# Altium PCB MiniSystem-Pcb.PcbDoc
Units mil, origin at the board's own origin, x right, y up, seen from the top; angles counter-clockwise.
Board outline 1732.28 x 669.29 mil, 2 copper layers (Top Layer, Bottom Layer); 69 components, 49 nets, 163 pads, 33 vias.
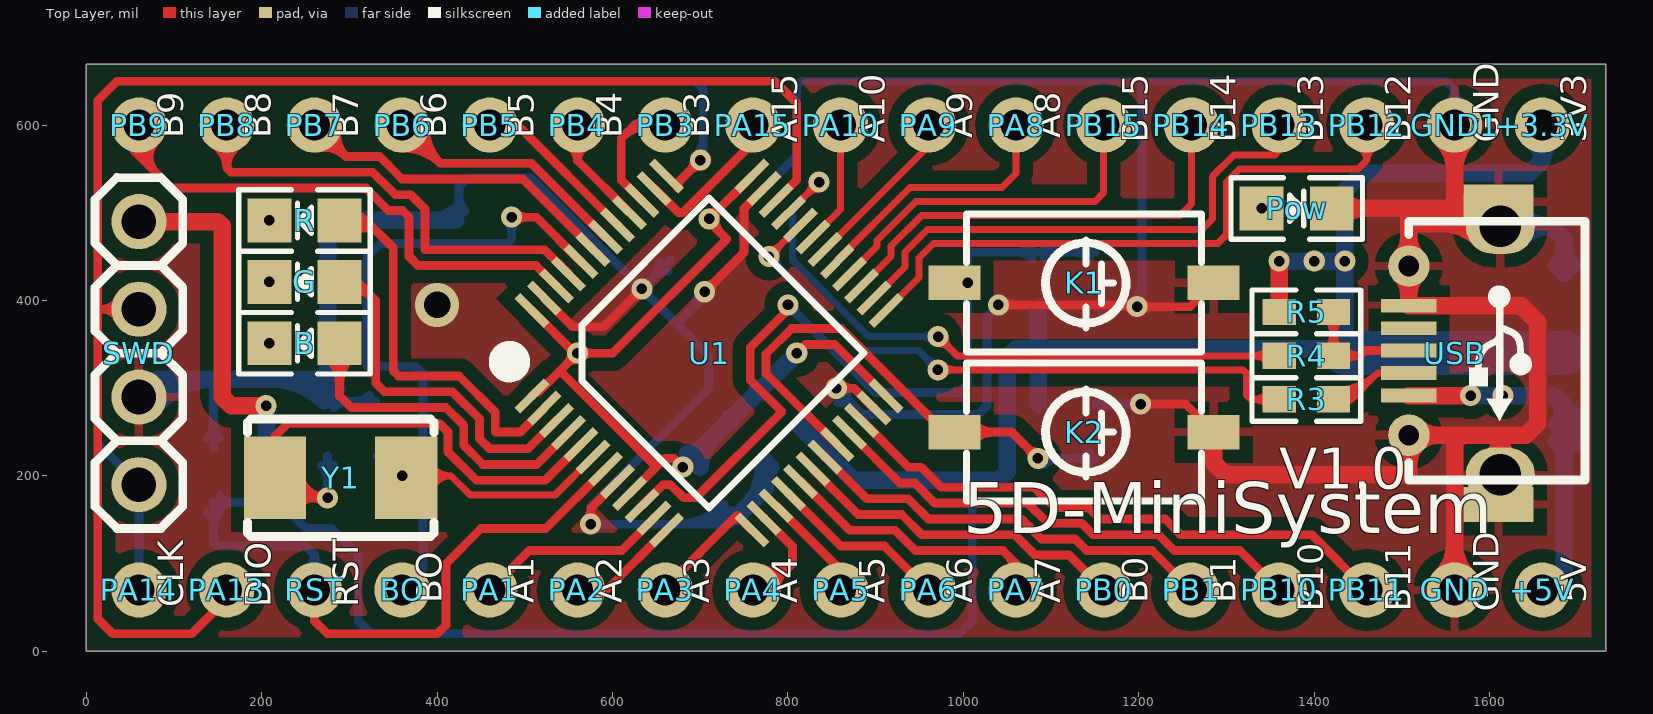
[diagram p0: Top Layer view]
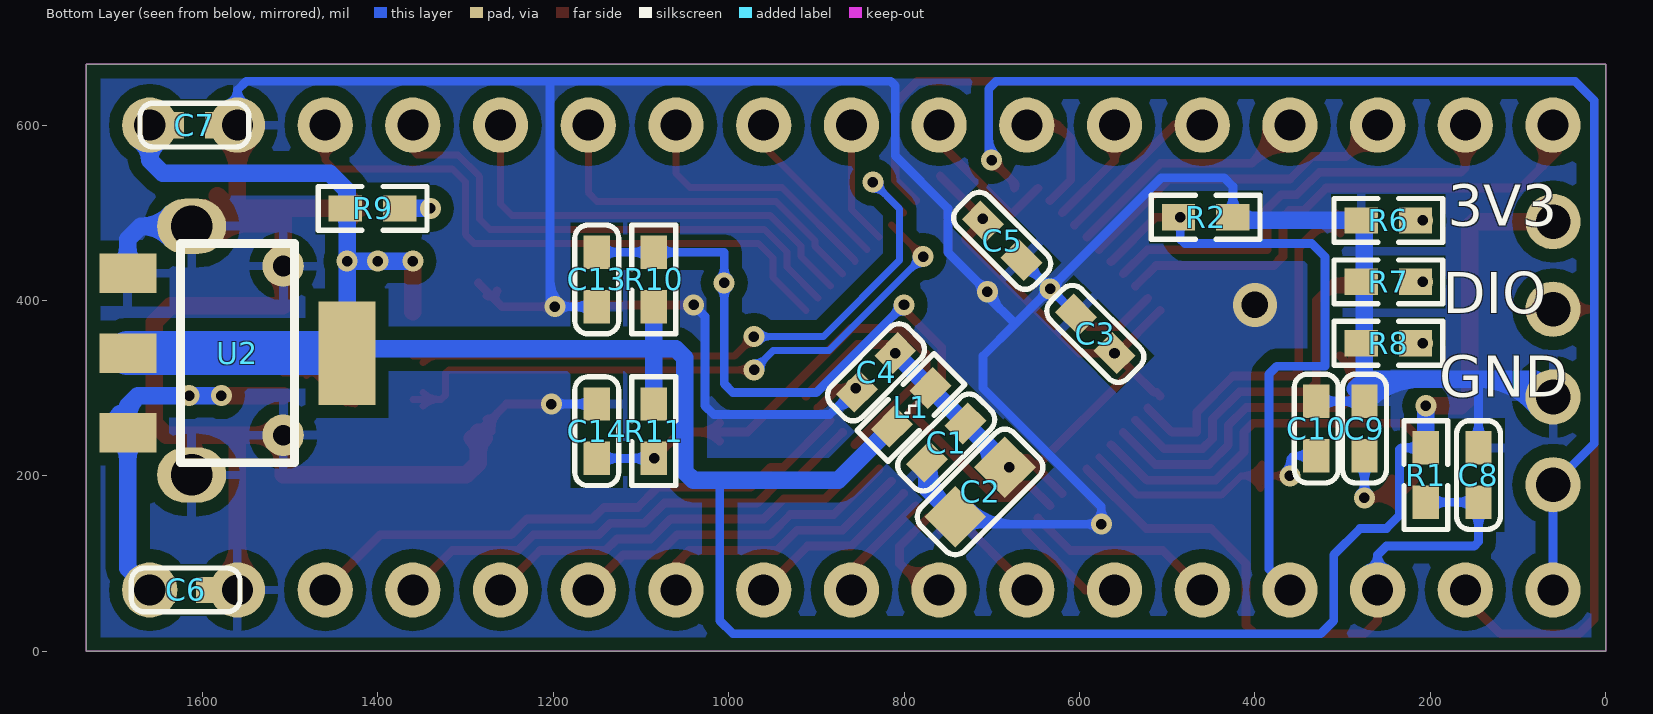
[diagram p1: Bottom Layer view, seen from below]
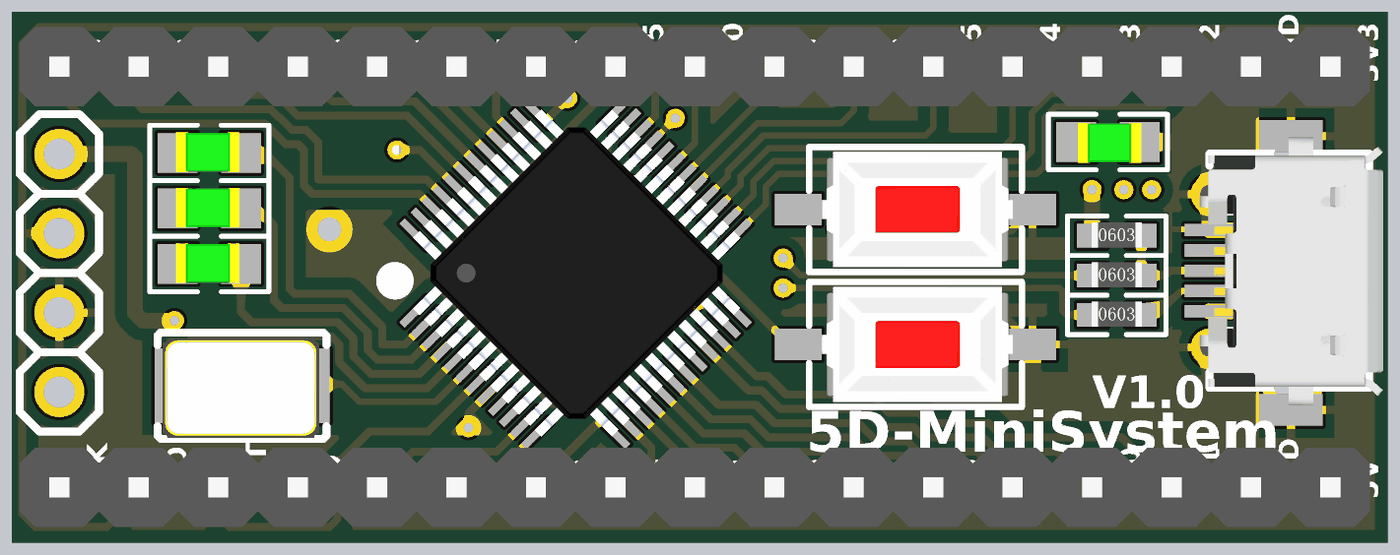
[diagram p2: 3D render of the assembled board from above, using the file's embedded part models]
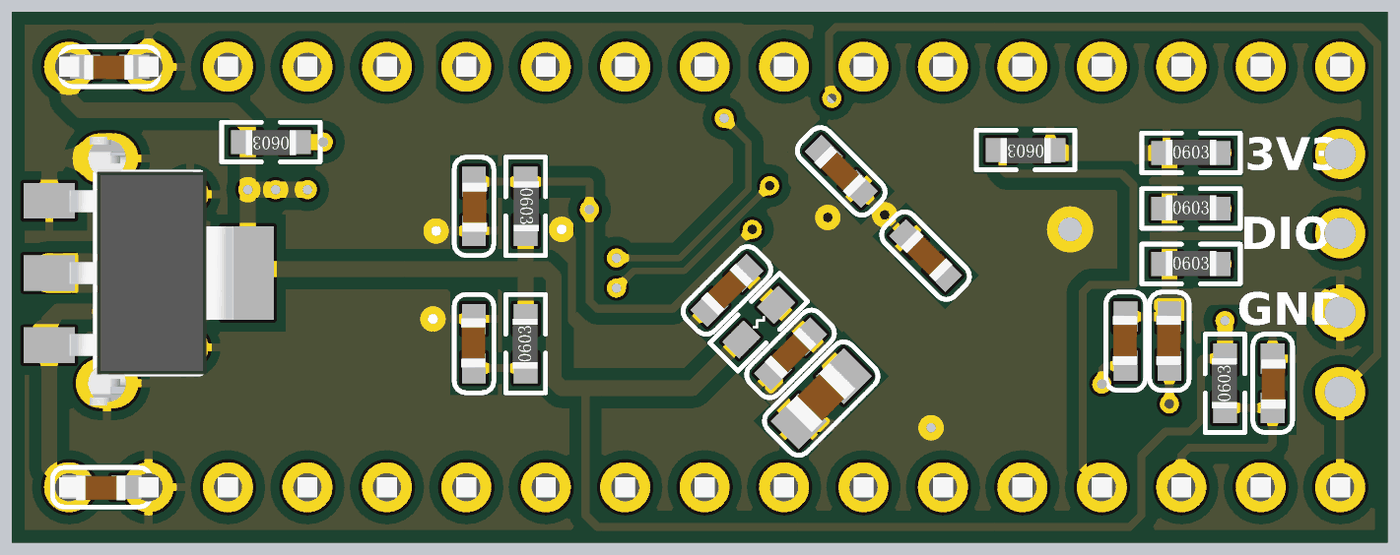
[diagram p3: 3D render of the assembled board from below, using the file's embedded part models]

## Layer stack, top to bottom
Top Layer: signal copper 1.4
Dielectric: dielectric 12.6, FR-4, Dk 4.8
Bottom Layer: signal copper 1.4

## Board outline
0,0 1732.28,0 1732.28,669.29 0,669.29

## Design rules (kind name [scope] priority, off if disabled: settings)
Clearance "InPolygon TO InPolygon" [IsRegion vs InPolygon] p1: gap=30
Clearance Clearance_InPolygon [InPolygon] p2: gap=15
Clearance Clearance_IsKeepOut [IsKeepOut] p3: gap=7
Clearance Clearance_IsPad [IsPad] p4: gap=7
Clearance Clearance_IsVia [IsVia] p5: gap=7
Clearance [All] p6: gap=8
ComponentClearance [All] p1 off: gap=10 collisioncheckmode=3 verticalgap=10 showdistances=FALSE
HoleSize [All] p1: absolutevalues=TRUE maxlimit=200 minlimit=6 maxpercent=80.000 minpercent=20.000
HoleToHoleClearance [All] p1 off: gap=10 allowstackedmicrovias=TRUE
MinimumSolderMaskSliver [All] p1 off: minsoldermaskwidth=10
PlaneClearance [All] p1: clearance=12
PlaneConnect PlaneConnect_IsVia [IsVia] p1: planeconnectstyle=Direct reliefexpansion=20 reliefentries=4 reliefconductorwidth=10 reliefairgap=10
PlaneConnect [All] p2: planeconnectstyle=Relief reliefexpansion=20 reliefentries=4 reliefconductorwidth=10 reliefairgap=10
PolygonConnect PolygonConnect_IsThruPin [IsThruPin] p1: connectstyle=Relief reliefconductorwidth=10 reliefentries=4 polygonreliefangle="90 Angle"
PolygonConnect PolygonConnect_IsSMTPin [IsSMTPin] p2: connectstyle=Relief reliefconductorwidth=10 reliefentries=4 polygonreliefangle="90 Angle"
PolygonConnect PolygonConnect_IsVia [IsVia] p3: connectstyle=Direct reliefconductorwidth=10 reliefentries=4 polygonreliefangle="90 Angle"
RoutingVias [All] p1: holewidth=12 width=24 viastyle="Through Hole" minholewidth=12 minwidth=24 maxholewidth=200 maxwidth=500
SilkToSilkClearance [All] p1 off: silktosilkclearance=10
SilkscreenOverComponentPads [All] p1 off: minsilkscreentomaskgap=10
SolderMaskExpansion [All] p1: expansion=4
Width [All] p1: maxlimit=500 minlimit=6 preferedwidth=10
20 further rules are at their usual default settings.

## Components (designator, comment, footprint, x,y, rotation, side; value= is the part's Value field where it differs from the comment)
+3.3V "" TP 1660,600 r90 top
+5V "" TP 1660,70 r0 top
B "LED" LED0805 288.78,351.3 r180 top
BO "" TP 360,70 r0 top
C1 "104" C0603 730,260 r315 bottom
C2 "106" C0805 685,210 r315 bottom
C3 "104" C0603 560,340 r45 bottom
C4 "104" C0603 810,340 r315 bottom
C5 "104" C0603 710,490 r225 bottom
C6 "104" C0603 1650,70 r180 bottom
C7 "104" C0603 1640,600 r180 bottom
C8 "104" C0603 145,170 r90 bottom
C9 "22P" C0603 275,285 r270 bottom
C10 "22P" C0603 330,285 r270 bottom
C13 "104" C0603 1150.28,393 r90 bottom
C14 "104" C0603 1150.28,282 r270 bottom
G "LED" LED0805 288.78,421.3 r180 top
GND "" TP 1560,70 r0 top
GND1 "" TP 1560,600 r90 top
K1 "SW-PB" SW-Mini 1285.28,420 r180 top
K2 "SW-PB" SW-Mini 1285.28,250 r180 top
L1 "BEAD" l0603 770,300 r315 bottom
PA1 "" TP 460,70 r0 top
PA2 "" TP 560,70 r0 top
PA3 "" TP 660,70 r0 top
PA4 "" TP 760,70 r0 top
PA5 "" TP 860,70 r0 top
PA6 "" TP 960,70 r0 top
PA7 "" TP 1060,70 r0 top
PA8 "" TP 1060,600 r0 top
PA9 "" TP 960,600 r0 top
PA10 "" TP 860,600 r90 top
PA13 "" TP 160,70 r90 top
PA14 "" TP 60,70 r90 top
PA15 "" TP 760,600 r90 top
PB0 "" TP 1160,70 r0 top
PB1 "" TP 1260,70 r0 top
PB3 "" TP 660,600 r0 top
PB4 "" TP 560,600 r0 top
PB5 "" TP 460,600 r0 top
PB6 "" TP 360,600 r0 top
PB7 "" TP 260,600 r0 top
PB8 "" TP 160,600 r0 top
PB9 "" TP 60,600 r0 top
PB10 "" TP 1360,70 r90 top
PB11 "" TP 1460,70 r0 top
PB12 "" TP 1460,600 r90 top
PB13 "" TP 1360,600 r90 top
PB14 "" TP 1260,600 r90 top
PB15 "" TP 1160,600 r90 top
Pow "LED" LED0805 1340,505 r0 top
R "LED" LED0805 288.78,491.3 r180 top
R1 "10K" R0603 205,170 r90 bottom
R2 "10K" R0603 425,495 r0 bottom
R3 "22R" R0603 1360,287.27 r0 top
R4 "22R" R0603 1360,337 r0 top
R5 "1.5K" R0603 1360,387 r0 top
R6 "1K" R0603 278.78,491.3 r180 bottom
R7 "1K" R0603 278.78,421.3 r180 bottom
R8 "1K" R0603 278.78,351.3 r180 bottom
R9 "1K" R0603 1375,505 r0 bottom
R10 "1K" R0603 1085.28,455 r270 bottom
R11 "1K" R0603 1085.28,220 r90 bottom
RST "" TP 260,70 r0 top
SWD "SWD" SWIM_SWD 60,340 r0 top
U1 "STM32F103C8T6" LQFP48 710,340 r45 top
U2 "AMS1117" SOT223 1560,340 r270 bottom
USB "USB" USB-Micro 1560,340 r180 top
Y1 "8M" XTAL-(5.0X3.2MM)-2P 290,198 r180 top

## Footprints (in the part's own frame and the unit in brackets; to place one, negate y for a bottom-side part, rotate by r counter-clockwise, add the part's x,y. Pads: shape width x height; smd on the part's side, far side on the other; paste and mask are expansions set on the pad)
C0603 [mil]
  rect 38x30 smd: 1(0,0) 2(62,0)
  silkscreen extent -31,-25 93,25, body extent -17,-47 77,46, height 24
C0805 [mil]
  rect 50x50 smd: 1(0,0) 2(80,0)
  silkscreen extent -35,-35 115,35, body extent -23,-64 102,61, height 37
l0603 [mil]
  rect 38x30 smd: 1(0,0) 2(62,0)
  silkscreen extent -31,-25 93,25
LED0805 [mil]
  rect 50x50 smd: 1(0,0) 2(80,0)
  silkscreen extent -35,-35 115,35, body extent 2,-26 82,24, height 43
LQFP48 [mm]
  rect 1.2x0.24 smd: 1(-4.5,2.75) 2(-4.5,2.25) 3(-4.5,1.75) 4(-4.5,1.25) 5(-4.5,0.75) 6(-4.5,0.25) 7(-4.5,-0.25) 8(-4.5,-0.75) 9(-4.5,-1.25) 10(-4.5,-1.75) 11(-4.5,-2.25) 12(-4.5,-2.75) 25(4.5,-2.75) 26(4.5,-2.25) 27(4.5,-1.75) 28(4.5,-1.25) 29(4.5,-0.75) 30(4.5,-0.25) 31(4.5,0.25) 32(4.5,0.75) 33(4.5,1.25) 34(4.5,1.75) 35(4.5,2.25) 36(4.5,2.75)
  rect 0.24x1.2 smd: 13(-2.75,-4.5) 14(-2.25,-4.5) 15(-1.75,-4.5) 16(-1.25,-4.5) 17(-0.75,-4.5) 18(-0.25,-4.5) 19(0.25,-4.5) 20(0.75,-4.5) 21(1.25,-4.5) 22(1.75,-4.5) 23(2.25,-4.5) 24(2.75,-4.5) 37(2.75,4.5) 38(2.25,4.5) 39(1.75,4.5) 40(1.25,4.5) 41(0.75,4.5) 42(0.25,4.5) 43(-0.25,4.5) 44(-0.75,4.5) 45(-1.25,4.5) 46(-1.75,4.5) 47(-2.25,4.5) 48(-2.75,4.5)
  silkscreen extent -4.56,-3.18 3.18,4.21, body extent -7.38,-7.43 7.42,7.37, height 1.5
R0603 [mil]
  rect 38x30 smd: 1(0,0) 2(62,0)
  silkscreen extent -31,-25 93,25, body extent 0,-15 62,16, height 18
SOT223 [mil]
  rect 45x65 smd: 1(-91,-125) 2(0,-125) 3(91,-125)
  rect 118x65 smd: 4(0,125)
  silkscreen extent -125,-65 125,65, body extent -128,-134 128,142, height 55
SW-Mini [mm]
  rect 1.5x1 smd: 1(0,0) 2(7.5,0)
  silkscreen extent 0.35,-2 7.15,2, body extent 0.63,-1.85 6.73,1.85, height 2.5
SWIM_SWD [mm]
  round 1.6 hole 1: 1(0,3.81) 2(0,1.27) 3(0,-1.27) 4(0,-3.81)
  silkscreen extent -1.27,-5.08 1.27,5.09
TP [mm]
  round 1.6 hole 0.9: 1(0,0)
  body extent -1.27,-1.27 1.27,1.27, height 8.54
USB-Micro [mm] "直插Micro-USB"
  rect 1.6x0.4 smd: 1(1.325,1.227) 2(1.325,0.577) 3(1.325,-0.073) 4(1.325,-0.723) 5(1.325,-1.373)
  oval 2x1.6 hole 1.2: 6(-1.325,3.527) 7(-1.325,-3.673)
  rect 2.032x1.016 smd: 6(-1.275,4.381) 7(-1.275,-4.381)
  round 1.2 hole 0.6: 8(1.325,2.377) 9(1.325,-2.523)
  silkscreen extent -3.77,-3.82 1.32,3.68, body extent -4.23,-4.36 1.64,4.24, height 2.73
XTAL-(5.0X3.2MM)-2P [mm]
  rect 1.8x2.4 smd: 1(-1.9,0) 2(1.9,0)
  silkscreen extent -2.7,-1.7 2.7,1.7, body extent -2.46,-1.52 2.54,1.68, height 1

## Part data
+3.3V +5V BO GND GND1 PA1 PA2 PA3 PA4 PA5 PA6 PA7 PA8 PA9 PA10 PA13 PA14 PA15 PB0 PB1 PB3 PB4 PB5 PB6 PB7 PB8 PB9 PB10 PB11 PB12 PB13 PB14 PB15 RST: library part TP, "测试点/触摸点"
B G Pow R: "LED灯"
C1 C2 C3 C4 C5 C6 C7 C8 C9 C10 C13 C14: library part CAP, "无极性电容"
K1 K2: "按键"
L1: library part INDUCTOR, "磁珠"
R1 R2 R3 R4 R5 R6 R7 R8 R9 R10 R11: library part RES2, "贴片电阻"
SWD: "SWD下载口(STM32)"
U1: "STM32F1单片机48引脚"
U2: "稳压芯片(LDO)"
USB: "通用串行总线(USB)"
Y1: library part XTAL, "晶振"

## Via types
v1: diameter 24, hole 12, Top Layer to Bottom Layer, 32 vias
v2: diameter 50, hole 30, Top Layer to Bottom Layer, 1 vias

## Nets (pads, with @x,y where several pads share a name; then routed paths per layer and width w, separated by ;. In a path a pad name is that pad's centre, name@x,y a point inside that pad or via, vN(x,y) a via of type N, cw(c..) or ccw(c..) an arc to the next point about the centre after c; other vN are vias at no path point)
+3.3V: +3.3V.1 C7.1 L1.2 R1.2 R5.1 R9.2 R10.2 R11.2 SWD.1 U2.2 U2.4 | length 3491.4
  Top Layer w20: SWD.1 150,490 155,485 155,290 165,280 v1(205,280) ; R5.1 v1(1360,445)
  Bottom Layer w10: R1.2 233,232 235,230 235,155 250,140 280,140 310,110 310,35 325,20 995,20 1010,35 1010,195 ; R1.2@212.07,224.93 cw(c229.14,207.86) 229.14,232 cw(c229.14,256.14) R1.2@212.07,239.07
  Bottom Layer w20: R1.2 v1(205,280) ; L1.2 875,195 1010,195 1040,195 1050,205 1050,334.72 1060.28,345 1085.28,345 ; 1075,345 1085.28,345 ; R11.2 1085.28,345 ; R10.2 1085.28,345 ; 1435,488.1 cw(c1453.9,488.1) R9.2@1440.54,501.46 ; 1435,521.9 ccw(c1453.9,521.9) R9.2@1440.54,508.54 ; +3.3V.1@1648.14,582.07 cw(c1633.53,560) 1660,560 ; +3.3V.1 1660,560 ; +3.3V.1@1671.86,582.07 ccw(c1686.47,560) 1660,560 ; 1085.28,345 1430,345 U2.4 v1(1435,445) ; v1(1435,445) 1390,445 v1(1360,445) v1(1435,445) ; v1(1435,445) 1435,525 1455,545 1555,545 1645,545 1660,560
  Bottom Layer w50: U2.4 U2.2
  other v1: 1400,445
+5V: +5V.1 C6.1 U2.3 USB.1 | length 640
  Top Layer w20: USB.1 v1(1578.32,291.68)
  Bottom Layer w20: v1(1615,291.68) v1(1578.32,291.68) 1673.32,291.68 1685,280 U2.3 1685,95 +5V.1 ; +5V.1@1654,75 ccw(c1654,101.56) +5V.1@1672.78,82.78 ; 1673.39,291.61 cw(c1644.41,262.63) U2.3@1681.85,245.95 ; U2.3@1676.16,240.16 cw(c1654.82,218.82) 1685,218.82 cw(c1715.18,218.82) U2.3@1693.84,240.16 ; U2.3@1676.16,257.84 ccw(c1654.82,279.18) 1685,279.18 ccw(c1715.18,279.18) U2.3@1693.84,257.84 ; U2.3@1693.97,271.03 cw(c1672.88,249.95) U2.3@1700.12,237.81
BOOT0: BO.1 R2.2 U1.44 | length 799.9
  Top Layer w10: v1(485,495) 513.24,495 U1.44 ; v1@489.95,490.05 cw(c501.9,478.1) 501.9,495 cw(c501.9,511.9) v1@489.95,499.95
  Bottom Layer w10: BO.1 384,94 384,316 375,325 320,325 320,450 335,465 480,465 485,470 v1(485,495) ; R2.2@480.05,490.05 cw(c468.1,478.1) 485,478.1 cw(c501.9,478.1) R2.2@489.95,490.05
CLK: PA14.1 SWD.4 U1.37 | length 1466.6
  Top Layer w10: U1.37@674.37,528.47 cw(c688.61,528.47) 678.54,538.54 ; U1.37@674.42,528.31 cw(c678.69,531.31) 675,535 v1(700,560) ; v1@693,560 cw(c676.1,560) 688.05,548.05 cw(c700,536.1) v1@700,553
  Bottom Layer w10: PA14.1 SWD.4 13,237 13,628 35,650 695,650 703.5,641.5 703.5,563.5 v1(700,560) ; v1@695.05,564.95 ccw(c674.66,585.34) 703.5,585.34
DIO: PA13.1 SWD.2 U1.34 | length 1795.9
  Top Layer w10: SWD.2@36.09,378.59 ccw(c18,369.96) 18,390 ; SWD.2@36.09,401.41 cw(c18,410.04) 18,390 ; SWD.2 18,390 ; PA13.1 160,60 120,20 30,20 13,37 13,355 13,628 35,650 785,650 810,625 810,537.44 U1.34
GND: C1.2 C2.2 C3.2 C4.2 C5.2 C6.2 C7.2 C8.2 C9.1 C10.1 C13.1 C14.1 GND1.1 GND.1 K1.1 K2.1 Pow.2 R2.1 R6.1 R7.1 R8.1 SWD.3 U1.8 U1.23 U1.35 U1.47 U2.1 USB.5 USB.6 USB.7 USB.8 USB.9 | length 8028.8
  Top Layer w10: U1.47 554.73,370 590,370 v1(633.35,413.36) ; v1@570.05,149.95 ccw(c558.1,161.9) 575,161.9 ccw(c591.9,161.9) v1@579.95,149.95 ; v1(575,145) 575,163.24 U1.8 ; v1@626.35,413.36 cw(c609.46,413.36) 621.41,401.41 cw(c633.35,389.46) v1@633.35,406.36 ; v1(705,410) 750,455 750,505.27 U1.35 ; v1@705,417 ccw(c705,433.9) 716.95,421.95 ccw(c728.9,410) v1@712,410 ; v1(855,300) 875.27,300 U1.23 ; v1@859.95,295.05 cw(c871.9,283.1) 871.9,300 cw(c871.9,316.9) v1@859.95,304.95 ; v1(1040,395) v1@1196,395 ; v1@1044.95,390.05 cw(c1056.9,378.1) 1056.9,395 cw(c1056.9,411.9) v1@1044.95,399.95 ; 1176.27,395 cw(c1176.27,371.27) v1@1193.05,388.05 ; 1185.93,395 ccw(c1185.93,405.07) v1@1193.05,397.95 ; v1(1198,393) 1258.28,393 K1.1 ; v1(1202,282) 1253.28,282 K2.1 ; v1@1202.95,388.05 cw(c1214.9,376.1) 1214.9,393 cw(c1214.9,409.9) v1@1202.95,397.95 ; v1@1206.95,277.05 cw(c1218.9,265.1) 1218.9,282 cw(c1218.9,298.9) v1@1206.95,286.95 ; 1263.14,272.14 cw(c1244.34,253.34) K2.1@1270.78,250.5 ; 1263.2,397.92 ccw(c1256.31,404.81) K1.1@1263.94,410.86 ; K2.1@1267.17,268.11 ccw(c1275.43,276.38) K2.1@1275.43,264.68 ; K1.1@1267.17,401.89 cw(c1275.43,393.62) K1.1@1275.43,405.32
  Top Layer w20: K2.1@1278.43,243.15 cw(c1261.89,226.62) 1285.28,226.62 cw(c1308.66,226.62) K2.1@1292.12,243.15 ; K2.1 1285.28,214.72 1298.87,201.13 1507.84,201.13 ; Pow.2 1515,505 ; Pow.2@1430.61,494.39 cw(c1456.21,468.79) 1456.21,505 cw(c1456.21,541.21) Pow.2@1430.61,515.61 ; USB.8@1498.2,236.77 cw(c1474.95,213.52) 1507.84,213.52 cw(c1540.72,213.52) 1517.47,236.77 cw(c1540.72,213.52) 1540.72,246.4 cw(c1540.72,279.29) USB.8@1517.47,256.04 ; USB.9@1498.2,429.69 cw(c1474.95,406.43) 1507.84,406.43 cw(c1540.72,406.43) USB.9@1517.47,429.69 ; USB.9@1498.2,448.95 ccw(c1474.95,472.21) 1507.84,472.21 ccw(c1540.72,472.21) USB.9@1517.47,448.95 ; 1507.84,203.3 USB.8 ; USB.8@1510.67,243.57 USB.8 ; 1544.57,487.84 cw(c1544.57,424.87) USB.7@1589.09,469.39 ; GND.1@1544.8,85.2 ccw(c1508.1,121.9) 1560,121.9 ccw(c1611.9,121.9) GND.1@1575.2,85.2 ; GND1.1@1544.8,584.8 cw(c1508.1,548.1) 1560,548.1 cw(c1611.9,548.1) GND1.1@1575.2,584.8 ; 1555.36,487.84 ccw(c1555.36,546.56) USB.7@1597.36,505.51 ; GND.1 1560,246.41 ; GND1.1 1560,505 1515,505 ; 1560.22,487.84 ccw(c1560.22,528.67) USB.7@1589.09,499.79 ; USB.7@1583.05,519.49 cw(c1507.84,593.02) 1507.84,487.84 ; USB.6@1599.45,218.46 ccw(c1581.02,243.57) 1612.16,243.57 ; USB.7@1608.92,487.84 1507.84,487.84 ; USB.6@1612.16,201.13 1612.16,243.57 ; USB.6@1624.88,218.46 cw(c1643.31,243.57) 1612.16,243.57 ; USB.8 1560,246.41 ; 1507.84,487.84 1507.84,497.84 1515,505 ; 1507.84,487.84 USB.9 USB.5 1635.96,394.04 1655,375 1655,260 1641.4,246.41 1560,246.41
  Bottom Layer w10: C8.2@137.93,243.07 ccw(c120.86,260.14) 145,260.14 ccw(c169.14,260.14) C8.2@152.07,243.07 ; C8.2 145,310 ; C9.1 C10.1 ; C9.1@282.07,277.93 cw(c299.14,260.86) 299.14,285 cw(c299.14,309.14) C9.1@282.07,292.07 ; C10.1@322.93,277.93 ccw(c305.86,260.86) 305.86,285 ccw(c305.86,309.14) C10.1@322.93,292.07 ; R2.1@417.93,502.07 ccw(c400.86,519.14) 425,519.14 ccw(c449.14,519.14) R2.1@432.07,502.07 ; R2.1@421.3,491.3 R2.1 425,530 435,540 506.71,540 v1(633.35,413.36) ; v1@570.05,149.95 ccw(c558.1,161.9) 575,161.9 ccw(c591.9,161.9) 579.95,149.95 ccw(c591.9,161.9) 591.9,145 ccw(c591.9,128.1) v1@579.95,140.05 ; C3.2 v1(633.35,413.36) ; C5.2@653.33,443.33 cw(c629.19,443.33) 646.26,426.26 cw(c663.33,409.19) C5.2@663.33,433.33 ; C5.2 v1(633.35,413.36) ; 672.93,145 ccw(c672.93,222.07) C2.2@727.43,167.57 ; 689.51,389.51 ccw(c669.03,410) v1@698,410 ; 697.07,145 ccw(c697.07,197.93) C2.2@734.5,160.5 ; v1@705,405 673.35,373.36 ; v1(705,410) 750,455 750,505 810,565 810,645 815,650 1205,650 ; v1@705,417 ccw(c705,433.9) 716.95,421.95 ccw(c728.9,410) v1@712,410 ; 713.64,145 cw(c713.64,125.5) C2.2@727.43,139.29 ; C2.2 733.14,145 v1(575,145) 575,165 710,300 710,336.71 673.35,373.36 ; C4.2@855,293 cw(c855,276.1) 866.95,288.05 cw(c878.9,300) C4.2@862,300 ; C4.2@856.34,298.66 885,270 1017,270 1027,280 1027,382 v1(1040,395) ; C4.2@856.67,283.33 cw(c856.67,247.12) 882.28,272.72 ; C4.2@866.67,293.33 ccw(c878.74,293.33) 870.2,284.8 ; C14.1 v1(1202,282) ; C13.1 v1(1198,393) ; C14.1@1157.35,274.93 cw(c1174.42,257.86) 1174.42,282 cw(c1174.42,306.14) C14.1@1157.35,289.07 ; C13.1@1157.35,385.93 cw(c1174.42,368.86) 1174.42,393 cw(c1174.42,417.14) C13.1@1157.35,400.07 ; v1@1193.05,388.05 ccw(c1181.1,376.1) 1181.1,393 ccw(c1181.1,409.9) 1193.05,397.95 ccw(c1167.83,423.17) 1203.5,423.17 ; v1@1197.05,277.05 ccw(c1185.1,265.1) 1185.1,282 ccw(c1185.1,298.9) v1@1197.05,286.95 ; v1@1203.5,398.5 1203.5,648.5 1205,650 ; GND1.1@1549.67,624.4 ccw(c1543.06,640) 1560,640 ; GND1.1 1560,640 ; GND1.1@1560,606.67 ccw(c1577.56,606.67) GND1.1@1569.29,591.18 ; GND1.1@1560,623.33 ccw(c1586.44,623.33) GND1.1@1574,600 ; GND1.1@1570.33,624.4 cw(c1576.94,640) 1560,640 ; GND1.1@1578.71,608.82 cw(c1595.33,640) 1560,640 ; v1(633.35,413.36) 673.35,373.36 ; 1205,650 1550,650 1560,640 ; 621.41,401.41 cw(c633.35,389.46) 633.35,406.36 cw(c633.35,389.46) 645.3,401.41 cw(c657.25,413.36) 640.35,413.36 cw(c657.25,413.36) 645.3,425.3 cw(c633.35,437.25) 633.35,420.36 cw(c633.35,437.25) 621.41,425.3 cw(c609.46,413.36) 626.35,413.36 cw(c609.46,413.36) 621.41,401.41
  Bottom Layer w20: SWD.3 80,310 145,310 ; SWD.3@61.18,289.08 cw(c104.03,255.65) 104.03,310 ; SWD.3@76.95,276.78 cw(c145,223.7) 145,310 ; 212.23,310 cw(c212.23,226.23) C9.1@271.46,285.46 ; 260.51,310 cw(c260.51,274.51) C9.1@285.61,299.61 ; 399.99,491.3 ccw(c399.99,516.01) R2.1@417.46,498.54 ; R2.1@421.3,491.3 R6.1 275,487.52 275,310 145,310 ; C2.2 773.84,185.7 C1.2 ; C2.2@753.97,165.83 ccw(c710.88,208.92) C1.2@771.68,213 ; 773.84,194.43 cw(c795.57,194.43) C1.2@780.2,209.8 ; USB.7@1612.16,484.59 1670.41,484.59 ; USB.7@1635.56,469.72 cw(c1670.4,436.34) 1670.4,484.59 ; USB.7@1635.56,499.46 ccw(c1670.4,532.85) 1670.4,484.59 ; U2.1@1676.16,439.84 ccw(c1654.82,461.18) 1685,461.18 ccw(c1715.18,461.18) U2.1@1693.84,439.84 ; U2.1 1685,470 1670.41,484.59
  other v2: 400,395
K1: C13.2 K1.2 R10.1 U1.10 | length 1103.1
  Top Layer w10: U1.10 657.44,190 666.06,190 681.06,175 695,175 792.54,272.54 ; 792.54,273.76 757,309.3 757,346.4 v1@800,389.4
  Bottom Layer w10: v1@800,388 cw(c800,371.1) 811.95,383.05 cw(c823.9,395) v1@807,395 ; v1(800,395) 900,295 995,295 1005,305 v1(1005,420) 1005,455 R10.1 C13.2 ; v1@1000.05,415.05 cw(c988.1,403.1) 1005,403.1 cw(c1021.9,403.1) v1@1009.95,415.05 ; v1@1000.05,424.95 ccw(c988.1,436.9) 1005,436.9 ccw(c1021.9,436.9) v1@1009.95,424.95 ; R10.1@1078.2,447.93 ccw(c1061.13,430.86) 1061.13,455 ccw(c1061.13,479.14) R10.1@1078.2,462.07 ; R10.1@1092.35,447.93 cw(c1109.42,430.86) 1109.42,455 cw(c1109.42,479.14) R10.1@1092.35,462.07 ; C13.2@1143.2,447.93 ccw(c1126.13,430.86) 1126.13,455 ccw(c1126.13,479.14) C13.2@1143.2,462.07
K2: C14.2 K2.2 R11.1 U1.20 | length 769.9
  Top Layer w10: U1.20 775,316.76 775,338.94 804.06,368 860.57,368 978.57,250 K2.2 1055,250 v1(1085,220) ; K2.2@1010.23,239.62 cw(c1035.3,214.55) 1035.3,250 cw(c1035.3,285.45) K2.2@1010.23,260.38 ; v1@1078,220 ccw(c1061.1,220) 1073.05,231.95 ccw(c1085,243.9) v1@1085,227
  Bottom Layer w10: R11.1 C14.2 ; R11.1@1089.95,215.05 cw(c1101.9,203.1) 1101.9,220 cw(c1101.9,236.9) R11.1@1089.95,224.95 ; R11.1@1092.35,212.93 cw(c1109.42,195.86) 1109.42,220 cw(c1109.42,244.14) R11.1@1092.35,227.07 ; C14.2@1143.2,212.93 ccw(c1126.13,195.86) 1126.13,220 ccw(c1126.13,244.14) C14.2@1143.2,227.07
LED-B: R.1 U1.2 | length 591.1
  Top Layer w10: R.1@295.65,484.04 cw(c310.8,468.02) 326.39,483.61 ; R.1@302.52,476.77 cw(c317.87,460.55) 333.66,476.34 ; R.1@307.26,483.65 cw(c318.7,478.92) 318.7,491.3 ; R.1@307.26,498.95 ccw(c318.7,503.68) 318.7,491.3 ; 319.12,490.88 ccw(c303.73,475.49) R.1 318.7,491.3 ; 380,314 400,314 ; U1.2 494.73,250 466.24,250 466.24,272.58 424.82,314 400,314 ; 318.7,491.3 350,460 350,320 356,314 400,314
LED-G: G.1 U1.3 | length 476.5
  Top Layer w10: G.1@291.47,411.67 cw(c301.52,375.78) 327.87,402.13 ; 315.77,414.23 ccw(c296.23,394.68) G.1 308.7,421.3 330,400 330,306 340,296 417.36,296 448.24,265.13 448.24,242.54 459.77,231.01 503.58,231.01 U1.3
LED-R: B.1 U1.4 | length 457.8
  Top Layer w10: B.1@274.64,337.16 cw(c240.5,303.01) 288.78,303.01 cw(c337.06,303.01) B.1@302.92,337.16 ; B.1 288.78,291.22 302,278 409.91,278 430.24,257.67 430.24,235.09 452.31,213.01 513.41,213.01 U1.4
NetB_2: B.2 R8.2
  other v1: 208.78,351.3
NetG_2: G.2 R7.2
  other v1: 208.78,421.3
NetPow_1: Pow.1 R9.1 | length 35
  Bottom Layer w20: v1(1340,505) R9.1
NetR3_2: R3.2 USB.2 | length 237.4
  Top Layer w8: R3.2 1442.27,287.27 ; R3.2@1425.97,282.27 ccw(c1426.12,309.2) 1445.16,290.16 ; R3.2@1426.02,290.27 ccw(c1426.26,336.17) 1458.71,303.71 ; R3.2@1426.06,298.27 ccw(c1426.4,363.14) 1472.27,317.27 ; R3.2@1436.21,283.17 cw(c1442.27,280.74) 1442.27,287.27 ; R3.2@1436.21,291.37 ccw(c1442.27,293.8) 1442.27,287.27 ; USB.2@1481.47,314.53 ccw(c1474.86,307.92) 1474.86,317.27 ccw(c1474.86,326.62) USB.2@1481.47,320.01 ; USB.2 1472.27,317.27 ; 1442.27,287.27 1472.27,317.27
NetR4_2: R4.2 R5.2 USB.3 | length 252
  Top Layer w10: R4.2@1414.93,344.07 ccw(c1397.86,361.14) 1422,361.14 ccw(c1446.14,361.14) R4.2@1429.07,344.07 ; R5.2@1414.93,379.93 cw(c1397.86,362.86) 1422,362.86 cw(c1446.14,362.86) R5.2@1429.07,379.93 ; R5.2 R4.2 1452,337 1457.86,342.86 USB.3 ; R4.2@1433.07,329.93 cw(c1450.14,312.86) 1450.14,337 cw(c1450.14,361.14) R4.2@1433.07,344.07
NetR6_2: R6.2 R.2
  other v1: 208.78,491.3
OSC_IN: C9.2 U1.5 Y1.2 | length 769.6
  Top Layer w10: Y1.2@234.36,193.29 ccw(c260.63,203.02) 260.63,175 ; Y1.2@236.72,164.67 cw(c261.66,139.73) 261.66,175 ; Y1.2@243.74,196.76 ccw(c275,208.34) v1(275,175) 238.2,175 Y1.2 215.2,245.2 230,260 402.45,260 412.24,250.21 412.24,227.63 444.86,195.01 523.25,195.01 U1.5 ; v1@270.05,170.05 ccw(c258.1,158.1) 258.1,175 ccw(c258.1,191.9) v1@270.05,179.95
  Bottom Layer w10: C9.2@267.93,211.93 cw(c250.86,194.86) 275,194.86 cw(c299.14,194.86) C9.2@282.07,211.93 ; v1@270.05,179.95 ccw(c258.1,191.9) 275,191.9 ccw(c291.9,191.9) v1@279.95,179.95 ; v1(275,175) C9.2
OSC_OUT: C10.2 U1.6 Y1.1 | length 497.8
  Top Layer w8: v1(360,200) 415.83,200 437.82,178.01 534.09,178.01 U1.6 ; Y1.1@365.66,194.34 cw(c379.31,180.69) 379.31,200 cw(c379.31,219.31) Y1.1@365.66,205.66 ; Y1.1@385.09,209.73 ccw(c401.96,219.49) 401.96,200 ; Y1.1@386.29,188.65 cw(c403.62,181.1) 403.62,200 ; Y1.1@392.01,213.74 ccw(c415.82,227.51) 415.82,200 ccw(c415.82,175.78) Y1.1@393.62,185.45
  Bottom Layer w8: C10.2 357,223 360,220 v1(360,200) ; C10.2@337.78,215.22 cw(c356.56,196.44) 356.56,223 cw(c356.56,249.56) C10.2@337.78,230.78 ; v1@354.34,205.66 ccw(c340.69,219.31) 360,219.31 ccw(c379.31,219.31) v1@365.66,205.66
PA1: PA1.1 U1.11 | length 221.4
  Top Layer w10: PA1.1 505,115 610.27,115 U1.11
PA2: PA2.1 U1.12 | length 129.5
  Top Layer w10: PA2.1 593.11,70 U1.12
PA3: PA3.1 U1.13 | length 155.4
  Top Layer w10: PA3.1 660,73.11 741.89,155 U1.13 ; 733.98,147.09 cw(c745.36,135.72) U1.13@745.36,151.81
PA4: PA4.1 U1.14 | length 211.5
  Top Layer w10: PA4.1 775,70 805,100 ; PA4.1@766.96,84.96 ccw(c777.4,107.39) 794.89,89.89 ; PA4.1@771.18,94.02 ccw(c783.82,121.18) 805,100 ; U1.14 805,119.72 805,100 ; PA4.1@786.5,70 cw(c814.25,70) 794.62,89.62
PA5: PA5.1 U1.15 | length 126.4
  Top Layer w10: U1.15 860,92.56 PA5.1
PA6: PA6.1 U1.16 | length 205.1
  Top Layer w10: U1.16 860.4,120 910,120 PA6.1
PA7: PA7.1 U1.17 | length 391.8
  Top Layer w10: U1.17 870.24,138 922,138 945,115 1045,115 1060,100 PA7.1 ; 1048.87,111.13 cw(c1026.23,88.5) PA7.1@1054.3,73.12 ; 1058.3,101.7 cw(c1038.42,81.82) PA7.1@1063.07,68.32
PA8: PA8.1 U1.29 | length 301.4
  Top Layer w8: U1.29 856.15,445.88 939.28,529 1044,529 1060,545 PA8.1
PA9: PA9.1 U1.30 | length 214.5
  Top Layer w8: 859.2,475.28 U1.30 960,576.08 PA9.1
PA10: PA10.1 U1.31 | length 144.8
  Top Layer w8: U1.31 860,503.92 PA10.1 PA10.1@863.92,600
PA11: R3.1 U1.32 | length 879.4
  Top Layer w8: v1(778.24,450) U1.32 ; v1@778.24,458 ccw(c778.24,477.31) 791.9,463.66 ccw(c805.56,450) v1@786.24,450 ; v1@970,320 v1(971,321) 1319,321 1322.5,317.5 1322.5,292.5 1327.73,287.27 R3.1 ; v1@976.66,315.34 cw(c990.31,301.69) 990.31,321 cw(c990.31,340.31) v1@976.66,326.66 ; R3.1@1348.22,279.49 ccw(c1329.44,260.71) 1329.44,287.27 ccw(c1329.44,313.83) R3.1@1348.22,295.05
  Bottom Layer w8: v1@778.24,442 cw(c778.24,422.69) 791.9,436.34 cw(c805.56,450) v1@786.24,450 ; v1(778.24,450) 885.36,342.89 949.11,342.89 v1(971,321) ; v1@963,321 ccw(c943.69,321) 957.34,334.66 ccw(c971,348.31) v1@971,329
PA12: R4.1 U1.33 | length 931.3
  Top Layer w8: U1.33 v1(835.4,535) ; v1@827.4,535 cw(c808.09,535) 821.75,521.34 cw(c835.4,507.69) v1@835.4,527 ; v1@971.11,350.89 cw(c971.11,331.57) 984.77,345.23 cw(c998.43,358.89) v1@979.11,358.89 ; v1(971.11,358.89) 993,337 1020,337 ; 1003,337 1020,337 ; R4.1@1348.22,329.22 ccw(c1329.44,310.44) 1329.44,337 ccw(c1329.44,363.56) R4.1@1348.22,344.78 ; R4.1 1100,337 1020,337
  Bottom Layer w8: v1@827.4,535 cw(c808.09,535) 821.75,521.34 cw(c835.4,507.69) v1@835.4,527 ; v1(835.4,535) 805,504.6 805,445.87 891.98,358.89 v1(971.11,358.89) ; v1@965.46,353.23 ccw(c951.8,339.57) 951.8,358.89 ccw(c951.8,378.2) v1@965.46,364.54
PA15: PA15.1 U1.38 | length 177.3
  Top Layer w10: U1.38 675.28,500 680,500 760,580 PA15.1
PB0: PB0.1 U1.18 | length 388.7
  Top Layer w10: U1.18 880.08,156 929.46,156 952.46,133 1058.51,133 1081.51,110 1120,110 PB0.1
PB1: PB1.1 U1.19 | length 480.6
  Top Layer w10: U1.19 889.92,174 936.91,174 959.91,151 1065.97,151 1088.97,128 1127.46,128 1140.46,115 1215,115 PB1.1
PB3: PB3.1 U1.39 | length 228.8
  Top Layer w10: 612.02,587.02 cw(c639.5,559.53) PB3.1@657.06,594.21 ; 621.77,596.77 cw(c646.06,572.48) PB3.1@661.58,603.13 ; U1.39 610,537.44 610,585 625,600 PB3.1
PB4: PB4.1 U1.40 | length 165.3
  Top Layer w10: PB4.1@549.44,575.7 cw(c542.45,559.6) 560,559.6 ; PB4.1 560,559.6 ; PB4.1@570.56,575.7 ccw(c577.55,559.6) 560,559.6 ; U1.40 560,559.6
PB5: PB5.1 U1.41 | length 192.8
  Top Layer w10: PB5.1 491.76,600 U1.41
PB6: PB6.1 U1.42 | length 438.1
  Top Layer w10: PB6.1 403.5,556.5 ; PB6.1@360.46,583.51 cw(c361.48,547.32) 387.08,572.92 cw(c412.68,598.52) PB6.1@376.49,599.54 ; PB6.1@360.74,573.51 cw(c362.38,515.39) 403.49,556.51 ; PB6.1@386.49,599.26 ccw(c444.61,597.62) 403.49,556.51 ; U1.42 507.42,556.5 403.5,556.5
PB7: PB7.1 U1.43 | length 463
  Top Layer w10: PB7.1@260,594.3 PB7.1 295.7,564.3 ; PB7.1@264.77,573.94 cw(c271.06,539.66) 295.7,564.3 ; PB7.1@286.06,595.23 ccw(c320.34,588.94) 295.7,564.3 ; 391.5,538.5 405,538.5 ; U1.43 497.58,538.5 405,538.5 ; 295.7,564.3 334.19,564.3 359.98,538.5 405,538.5
PB8: PB8.1 U1.45 | length 578.7
  Top Layer w10: PB8.1@145.61,577.75 cw(c128.49,551.3) 160,551.3 ; PB8.1 160,551.3 ; PB8.1@174.39,577.75 ccw(c191.51,551.3) 160,551.3 ; U1.45 522.4,458 386,458 386,504.5 370,520.5 352.53,520.5 336.78,536.25 336.25,536.25 326.21,546.3 165,546.3 160,551.3
PB9: PB9.1 U1.46 | length 763.5
  Top Layer w10: PB9.1@57.49,602.45 ccw(c75.41,584.98) 57.71,567.29 ; PB9.1 60,565 96.7,528.3 318.75,528.3 344.55,502.5 360.5,502.5 368,495 368,450.54 ; PB9.1@64.65,595.47 ccw(c82.66,577.91) 64.88,560.12 ; PB9.1@71.81,588.48 ccw(c89.91,570.84) 72.04,552.96 ; PB9.1@78.97,581.5 ccw(c97.17,563.77) 79.2,545.8 ; 373.27,445.27 368,450.54 ; U1.46 512.56,440 378,440 368,450 368,450.54
PB10: PB10.1 U1.21 | length 564.3
  Top Layer w10: U1.21 927.6,192 944.37,192 967.37,169 1073.42,169 1096.42,146 1134.91,146 1147.91,133 1222.46,133 1240.46,115 1315,115 PB10.1
PB11: PB11.1 U1.22 | length 656.1
  Top Layer w10: U1.22 937.44,210 951.82,210 974.82,187 1080.88,187 1103.88,164 1142.37,164 1155.37,151 1229.91,151 1247.91,133 1397,133 PB11.1
PB12: PB12.1 U1.25 | length 783
  Top Layer w8: 939.2,416.08 U1.25 949.47,426.36 949.47,448.69 965.79,465 1290,465 1300,475 1300,535 1315,550 1450,550 1460,560 ; PB12.1@1450.15,574.33 cw(c1444.65,560) 1460,560 ; PB12.1 1460,560 ; PB12.1@1469.85,574.33 ccw(c1475.35,560) 1460,560
PB13: PB13.1 U1.26 | length 599.3
  Top Layer w8: U1.26 933.47,438.2 933.47,455.31 959.16,481 1271.9,481 1284,493.1 1284,541.63 1308.37,566 1330,566 1355,566 1360,571 PB13.1
PB14: PB14.1 U1.27 | length 511.7
  Top Layer w8: U1.27 917.47,450.04 917.47,461.94 952.53,497 1247,497 1260,510 PB14.1
PB15: PB15.1 U1.28 | length 409.2
  Top Layer w8: U1.28 901.47,461.88 901.47,468.57 945.9,513 1150,513 1160,523 PB15.1
RST: C8.1 R1.1 RST.1 U1.7 | length 911.3
  Top Layer w10: RST.1 260,35 275,20 400,20 410,30 410,100 450,140 523.92,140 U1.7
  Bottom Layer w10: C8.1@137.93,158.93 cw(c120.86,141.86) 145,141.86 cw(c169.14,141.86) C8.1@152.07,158.93 ; C8.1@152.07,162.93 cw(c169.14,145.86) 169.14,170 cw(c169.14,194.14) C8.1@152.07,177.07 ; R1.1@197.93,162.93 ccw(c180.86,145.86) 180.86,170 ccw(c180.86,194.14) R1.1@197.93,177.07 ; R1.1 C8.1 145,125 150,120 250,120 260,110 ; RST.1@249.67,94.4 ccw(c243.06,110) 260,110 ; RST.1 260,110 ; RST.1@270.33,94.4 cw(c276.94,110) 260,110
VDDA: C1.1 C2.1 C3.1 C4.1 C5.1 L1.1 U1.1 U1.9 U1.24 U1.36 U1.48 | length 1288.7
  Top Layer w10: U1.1 512.25,295.36 515.36,295.36 540,320 ; U1.48 v1@556.89,340 ; v1@553,340 cw(c536.1,340) 548.05,328.05 cw(c560,316.1) v1@560,333 ; v1@564.95,335.05 cw(c576.9,323.1) 576.9,340 cw(c576.9,356.9) v1@564.95,344.95 ; U1.9 659.6,220 670,220 ; 649.15,210.85 540,320 ; v1@710,500.11 ccw(c710,517.01) 721.95,505.06 ccw(c733.9,493.11) 717,493.11 ccw(c741.42,493.11) 724.15,475.85 ; U1.36 v1(710,493.11) 710,490 730,470 600,340 v1(560,340) 540,320 ; v1(810,340) 820,350 853.11,350 U1.24
  Bottom Layer w10: v1(680,210) C2.1@682.5,212.5 ; C1.1 L1.1 ; C1.1@730,270 ccw(c730,294.14) 747.07,277.07 ccw(c764.14,260) C1.1@740,260 ; L1.1@760,300 cw(c735.86,300) 752.93,282.93 cw(c770,265.86) L1.1@770,290
  Bottom Layer w20: C2.1@682.5,212.5 C1.1 L1.1 v1(810,340) ; C2.1@685,225 ccw(c685,249.14) 702.07,232.07 ; C2.1@700,210 cw(c748.28,210) 714.14,244.14
pads on no net: USB.4

## Polygon pours and split planes (outlines as drawn)
GND on Bottom Layer "Top Layer-No Net" (solid, remove dead copper): 0,669.29 1732.28,669.29 1732.28,0 0,0
GND on Top Layer "Top Layer-No Net" (solid, remove dead copper): 0,0 0,669.29 1732.28,669.29 1732.28,0

## Keep-outs
Keep-Out Layer:
  the board outline again, w2

## Other copper
Top Layer:
  pour cut-out: 185,260 185,135 400,135 395,140 395,260

## Silkscreen, mask and mechanical layers (free items; w line width, h text height)
Top Overlay:
  text "B9" at 120,585 h50 r90
  text "B8" at 220,585 h50 r90
  text "B7" at 320,585 h50 r90
  text "B6" at 420,585 h50 r90
  text "B5" at 520,585 h50 r90
  text "B4" at 620,585 h50 r90
  text "B3" at 720,585 h50 r90
  text "A9" at 1020,585 h50 r90
  text "A8" at 1120,585 h50 r90
  text "A15" at 820,580 h50 r90
  text "A10" at 920,580 h50 r90
  text "B15" at 1220,580 h50 r90
  text "B14" at 1320,580 h50 r90
  text "B13" at 1420,580 h50 r90
  text "B12" at 1520,580 h50 r90
  text "GND" at 1620,580 h50 r90
  text "3V3" at 1720,580 h50 r90
  text "V1.0" at 1360,170 h80
  text "5D-MiniSystem" at 1000,115 h100
  text "BO" at 415,55 h50 r90
  text "A1" at 520,55 h50 r90
  text "A2" at 620,55 h50 r90
  text "A3" at 720,55 h50 r90
  text "A4" at 820,55 h50 r90
  text "A5" at 920,55 h50 r90
  text "A6" at 1020,55 h50 r90
  text "A7" at 1120,55 h50 r90
  text "B0" at 1220,55 h50 r90
  text "B1" at 1320,55 h50 r90
  text "5V" at 1720,55 h50 r90
  text "CLK" at 120,50 h50 r90
  text "DIO" at 220,50 h50 r90
  text "RST" at 320,50 h50 r90
  text "B10" at 1420,45 h50 r90
  text "B11" at 1520,45 h50 r90
  text "GND" at 1620,45 h50 r90
Bottom Overlay:
  text "3V3" at 180,470 h80
  text "DIO" at 185.78,370 h80
  text "GND" at 190,275 h80